# Altium PCB QCPower Rev A.PcbDoc (part 2 of 5) (continued)
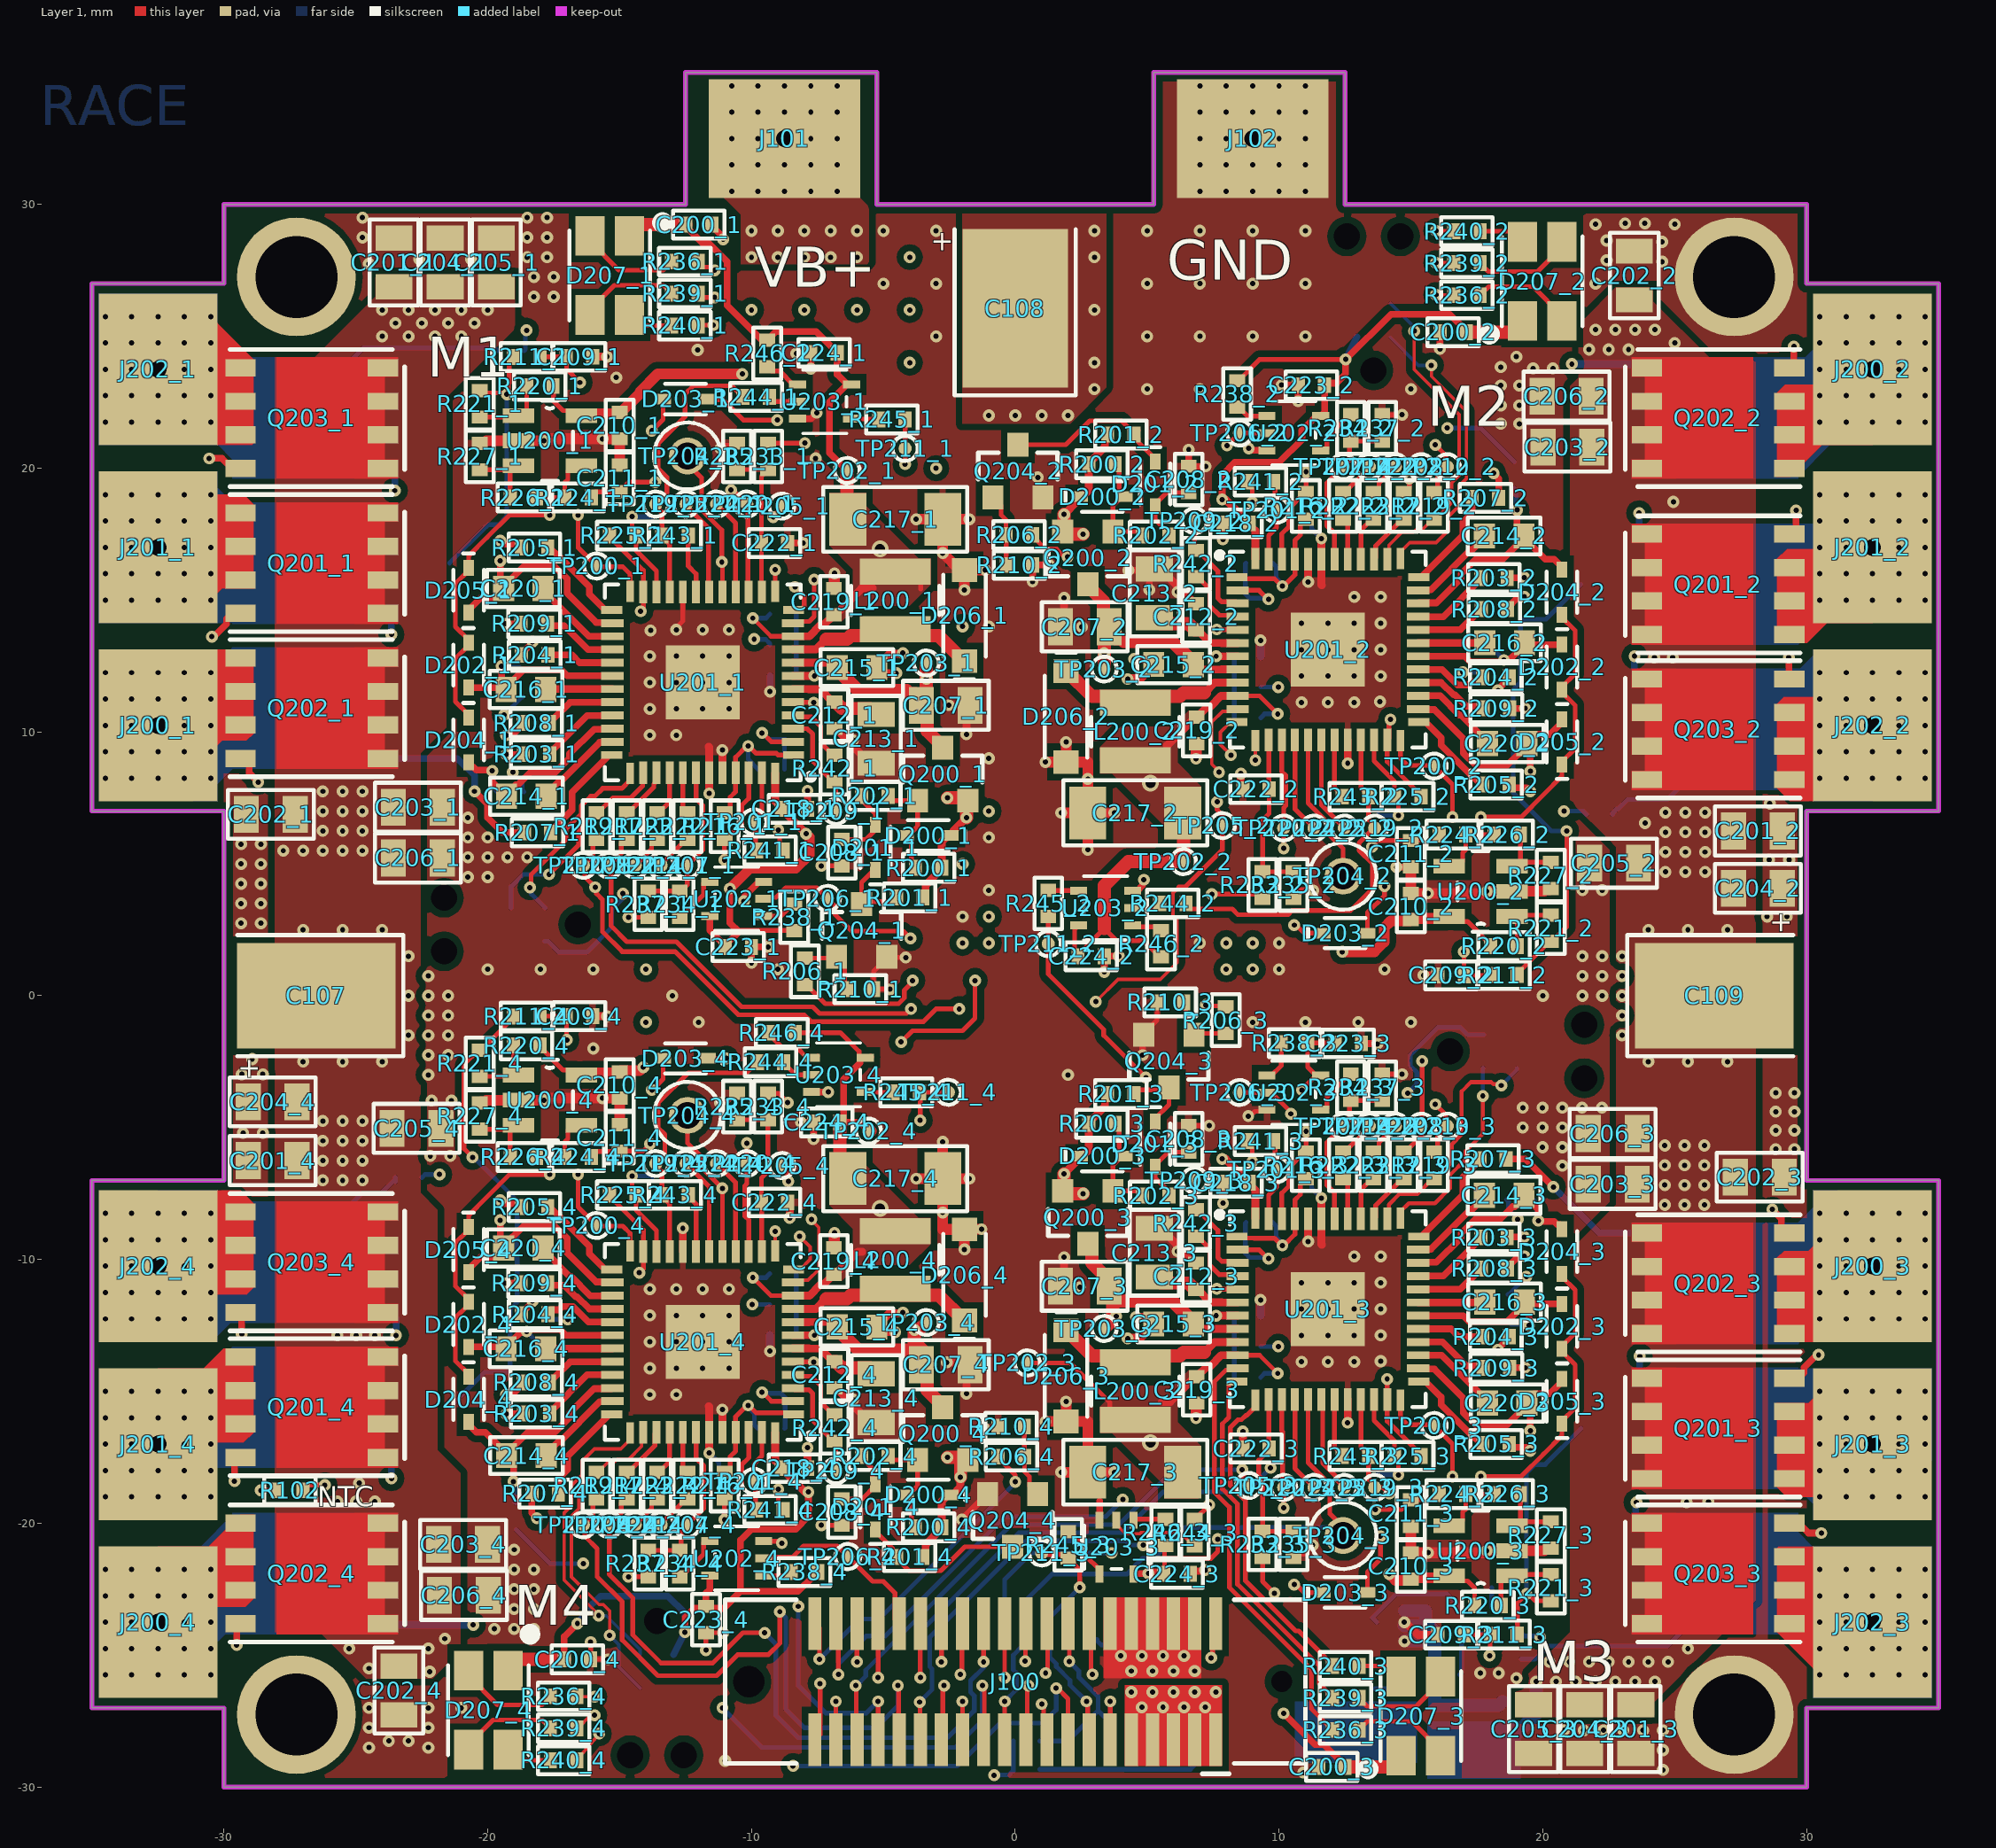
[diagram p0: Layer 1 view]
## Nets (pads, with @x,y where several pads share a name; then routed paths per layer and width w, separated by ;. In a path a pad name is that pad's centre, name@x,y a point inside that pad or via, vN(x,y) a via of type N, cw(c..) or ccw(c..) an arc to the next point about the centre after c; other vN are vias at no path point) (continued)
  Layer 6 w0.178: v2(-0.4,-25.85) -0.4,-22.127 0.601,-21.126 v2(3.65,-21.126)
BLDC_BOOTLOADER_RX4: J100.24 R217_4.1 TP208_4.1 | length 26.9
  Layer 1 w0.178: R217_4.1@-14.727,-19.071 -14.777,-19.071 -14.938,-19.232 -14.938,-19.604 TP208_4.1@-15.393,-20.059 -15.393,-21.927 -14.499,-22.821 -14.499,-24.226 -13.425,-25.3 -11.475,-25.3 -10.325,-24.15 v2(-9.5,-24.15) ; v2(-1.2,-25.25) J100.24@-1.2,-23.8
  Layer 6 w0.178: v2(-9.5,-24.15) -9.081,-24.569 -9.081,-27.269 -8.225,-28.125 -2.575,-28.125 -1.557,-27.107 -1.557,-26.53 -1.693,-26.394 -1.693,-25.967 -1.2,-25.474 v2(-1.2,-25.25)
BLDC_BOOTLOADER_TX1: J100.25 R219_1.1 TP210_1.1 | length 51.2
  Layer 1 w0.178: R219_1.1@-15.879,5.929 -16.012,5.796 -16.012,5.307 TP210_1.1@-16.377,4.941 -16.315,4.88 -16.315,4.506 v2(-15.925,4.115) -15.873,4.063 -15.873,3.872 -15.65,3.649 -15.65,2.425 -14.9,1.675 -12.9,1.675 -10.5,-0.725 -8,-0.725 -7.745,-0.98 -3.48,-0.98 -3,-0.5 v1(-2.125,-0.5) ; J100.25@-2,-28.2 v2(-2,-26.75)
  Layer 3 w0.127: v1(-2.125,-0.5) -2.125,-0.832 0.104,-3.061 0.104,-13.182 -1.433,-14.718 -1.433,-15.258 -1.677,-15.502 -1.836,-15.502 -3.542,-17.208 -3.542,-22.635 -4.018,-23.111 -4.018,-26.023 -3.708,-26.333 -3.446,-26.333 -3.372,-26.407 -3.372,-26.429 -2.978,-26.823 -2.422,-26.823 -2.411,-26.812 -2.062,-26.812 v2(-2,-26.75)
BLDC_BOOTLOADER_TX2: J100.27 R219_2.1 TP210_2.1 | length 67.1
  Layer 1 w0.178: J100.27@-2.8,-28.2 -2.75,-28.15 -2.75,-26.201 v2(-2.7,-26.151) ; R219_2.1@15.879,19.071 16.012,19.204 16.012,19.693 TP210_2.1@16.377,20.059 16.315,20.12 16.315,20.494 v2(15.925,20.885)
  Layer 3 w0.127: v2(-2.7,-26.151) -2.695,-26.146 -2.695,-25.736 -1.353,-24.394 -1.353,-17.685 -0.671,-17.003 -0.671,-15.034 0.924,-13.439 0.924,-1.474 0.216,-0.766 0.216,17.566 2.937,20.287 6.748,20.287 6.944,20.483 7.811,20.483 8.07,20.225 10.15,20.225 10.81,20.885 v2(15.925,20.885)
BLDC_BOOTLOADER_TX3: J100.29 R219_3.1 TP210_3.1 | length 45.2
  Layer 1 w0.178: v2(-3.625,-26.776) -3.613,-26.789 -3.613,-28.188 J100.29@-3.6,-28.2 ; R219_3.1@15.879,-5.929 16.012,-5.796 16.012,-5.307 TP210_3.1@16.377,-4.941 16.315,-4.88 16.315,-4.506 v2(15.925,-4.115)
  Layer 3 w0.127: v2(4.85,-20.826) 5.125,-20.551 5.125,-19.166 4.525,-18.566 4.525,-17.85 3.525,-16.85 3.525,-12.661 3.4,-12.537 3.4,-11.809 4.772,-10.436 4.772,-10.346 6.314,-8.805 6.314,-5.371 9.129,-2.555 14.836,-2.555 15.01,-2.729 15.025,-2.729 15.444,-3.148 15.444,-3.634 v2(15.925,-4.115)
  Layer 6 w0.178: v2@-3.625,-26.775 -3.157,-26.307 -3.157,-25.519 -3.243,-25.434 -3.243,-24.318 0.415,-20.66 4.186,-20.66 4.352,-20.826 v2(4.85,-20.826)
BLDC_BOOTLOADER_TX4: J100.31 R219_4.1 TP210_4.1 | length 25.9
  Layer 1 w0.178: R219_4.1@-15.879,-19.071 -16.012,-19.204 -16.012,-19.693 TP210_4.1@-16.377,-20.059 -16.315,-20.12 -16.315,-20.494 -15.85,-20.96 -15.85,-22.025 -14.9,-22.975 -14.9,-24.425 -13.55,-25.775 -11.316,-25.775 -10.518,-24.977 -9.352,-24.977 -8.925,-24.55 v2(-8.925,-23.35) ; v2(-4.45,-26.151) -4.425,-26.176 -4.425,-28.175 J100.31@-4.4,-28.2
  Layer 6 w0.178: v2(-8.925,-23.35) -8.7,-23.575 -8.7,-27.05 -7.995,-27.755 -5.28,-27.755 -4.45,-26.925 v2(-4.45,-26.151)
BLDC_BOOTSEL1: J100.26 TP206_1.1 U202_1.2 | length 42.8
  Layer 1 w0.178: U202_1.2@-9.538,3.672 -9.485,3.725 -9.075,3.725 -8.7,4.1 -7.525,4.1 -6.825,3.4 -6.825,3.075 -6.2,2.45 -4.25,2.45 v1(-3.975,2.175) ; v2(-2.083,-25.73) -2.025,-25.672 -2.025,-23.825 J100.26@-2,-23.8
  Layer 3 w0.127: v1(-3.975,2.175) -1.2,-0.6 -1.2,-1.397 0.358,-2.955 0.358,-13.287 -1.179,-14.823 -1.179,-15.363 -1.826,-16.01 -1.985,-16.01 -3.288,-17.313 -3.288,-21.45 -2.875,-21.863 -2.875,-22.925 -3.4,-23.45 -3.4,-25.46 -3.118,-25.742 -3.118,-26.324 -2.873,-26.569 -2.527,-26.569 -2.083,-26.124 v2(-2.083,-25.73)
BLDC_BOOTSEL2: J100.28 TP206_2.1 U202_2.2 | length 57.6
  Layer 1 w0.178: v2(-2.8,-25.25) J100.28@-2.8,-23.8 ; v2(8.025,20.86) TP206_2.1@8.5,21.335 8.503,21.331 9.535,21.331 U202_2.2@9.538,21.328
  Layer 3 w0.127: v2(-2.8,-25.25) -2.126,-24.576 -2.126,-21.113 -1.607,-20.595 -1.607,-16.193 -0.925,-15.51 -0.925,-14.929 0.67,-13.333 0.67,-1.595 -0.038,-0.887 -0.038,17.912 3.175,21.125 7.76,21.125 v2(8.025,20.86)
BLDC_BOOTSEL3: J100.30 TP206_3.1 U202_3.2 | length 36.7
  Layer 1 w0.178: v2(-3.6,-25.85) J100.30@-3.6,-23.8 ; TP206_3.1@8.5,-3.665 8.503,-3.668 9.535,-3.668 U202_3.2@9.538,-3.672 9.712,-3.672 10.45,-4.41 v2(10.45,-4.475)
  Layer 3 w0.127: v2(9.675,-17.9) 9.675,-17.25 10.433,-16.492 10.433,-13.133 9.775,-12.475 9.775,-11.05 9.183,-10.458 9.183,-7.667 10.45,-6.4 v2(10.45,-4.475)
  Layer 6 w0.178: v2(-3.6,-25.85) -3.6,-24.1 0.145,-20.355 4.06,-20.355 5.604,-18.811 8.764,-18.811 v2(9.675,-17.9)
BLDC_BOOTSEL4: J100.32 TP206_4.1 U202_4.2 | length 7.1
  Layer 1 w0.178: U202_4.2@-9.538,-21.328 -9.495,-21.285 -8.451,-21.285 -8.025,-20.86 -6.75,-20.86 TP206_4.1@-6.35,-21.26 -5.41,-22.2 -5,-22.2 -4.561,-22.639 -4.561,-23.639 J100.32@-4.4,-23.8
BLDC_nRESET1: J100.39 R232_1.1 TP205_1.1 | length 55.9
  Layer 1 w0.178: v2(-9.175,18.15) -9.175,18.195 -8.85,18.52 TP205_1.1@-8.85,18.565 ; J100.39@-7.6,-28.2 -7.4,-28 v2(-7.4,-26.075)
  Layer 3 w0.127: v2(-9.175,18.15) -9.2,18.125 -9.2,17.625 -9.52,17.305 -9.52,15.32 -9.475,15.275 -9.475,13.95 v2(-9.9,13.525) -8.3,11.925 -8.3,9.225 -9.403,8.122 -9.403,5.497 -4.032,0.126 -3.801,0.126 -0.404,-3.271 -0.404,-12.689 -4.05,-16.335 -4.05,-22.425 -7.4,-25.775 v2(-7.4,-26.075)
  Layer 6 w0.178: v2(-9.9,13.525) -9.884,13.509 -9.461,13.509 -9.3,13.348 R232_1.1@-9.3,13.298
BLDC_nRESET2: J100.37 R232_2.1 TP205_2.1 | length 54.2
  Layer 1 w0.127: v2(3.05,-0.225) 3.9,0.625 5.5,0.625 6.125,1.25 6.125,2.875 5.975,3.025 5.975,3.9 6.2,4.125
  Layer 1 w0.178: J100.37@-6.8,-28.2 v2(-6.8,-26.75) ; 6.2,4.125 6.45,4.125 7.849,5.524 TP205_2.1@7.849,6.452 7.849,6.858 7.65,7.057 v2(7.65,7.35)
  Layer 3 w0.127: v2(-6.8,-26.75) -5.791,-26.75 -4.962,-27.579 -1.829,-27.579 -0.818,-26.568 -0.818,-25.458 -0.783,-25.423 -0.783,-17.833 -0.163,-17.213 -0.163,-15.244 1.432,-13.649 1.432,-1.843 v2(3.05,-0.225) ; v2(7.65,7.35) 7.282,7.718 7.282,8.79 7.4,8.908 7.4,10.7 8.402,11.702 v2(9.968,11.702)
  Layer 6 w0.178: R232_2.1@9.3,11.702 v2(9.968,11.702)
BLDC_nRESET3: J100.35 R232_3.1 TP205_3.1 | length 26.8
  Layer 1 w0.178: v2(-6.05,-26.151) -6.025,-26.176 -6.025,-28.175 J100.35@-6,-28.2 ; v2(8.6,-17.965) 8.652,-18.017 8.652,-18.28 8.85,-18.478 TP205_3.1@8.85,-18.565
  Layer 3 w0.127: v2(8.6,-17.965) 9.533,-17.033 9.533,-13.733 v2(9.968,-13.298)
  Layer 6 w0.178: v2(-6.05,-26.151) -6.022,-26.123 -6,-26.123 -5.666,-25.789 -5.666,-25.566 -0.15,-20.05 3.933,-20.05 6.018,-17.965 v2(8.6,-17.965) ; R232_3.1@9.3,-13.298 v2(9.968,-13.298)
BLDC_nRESET4: J100.33 R232_4.1 TP205_4.1 | length 31
  Layer 1 w0.178: TP205_4.1@-8.85,-6.435 -8.85,-6.522 -8.652,-6.72 -8.652,-6.983 v2(-8.6,-7.035) ; J100.33@-5.2,-28.2 v2(-5.2,-26.75)
  Layer 3 w0.127: v2(-8.6,-7.035) -7.665,-7.035 -6.425,-8.275 -6.425,-9.725 -8.175,-11.475 -9.741,-11.475 v2(-9.968,-11.702) -9.968,-12.207 -8.725,-13.45 -8.725,-16.55 -9.825,-17.65 -9.825,-21.55 v1(-8.225,-23.15)
  Layer 6 w0.178: v2(-9.968,-11.702) R232_4.1@-9.3,-11.702 ; v1(-8.225,-23.15) -8.225,-26.151 -7.183,-27.193 -5.643,-27.193 v2(-5.2,-26.75)
BLUE_1: R240_1.2 U201_1.13 | length 12
  Layer 1 w0.178: R240_1.2@-12.025,25.41 -12.009,25.425 v2(-11.45,25.425) ; U201_1.13@-9.102,15.328 v2(-9.102,16.148)
  Layer 3 w0.178: v2(-11.45,25.425) -11.45,21.713 -8.732,18.995 -8.732,17.698 -9.102,17.328 v2(-9.102,16.148)
BLUE_2: R240_2.2 U201_2.13 | length 29.4
  Layer 1 w0.127: v2(9.102,8.927) U201_2.13@9.102,9.672 ; v2(15.95,29) 16.607,29 R240_2.2@16.625,28.982
  Layer 3 w0.127: v2(9.102,8.927) 9.7,9.525 15.533,9.525 17.893,11.885 17.893,13.218 17.893,18.79 17.65,19.033 17.65,27.3 v2(15.95,29)
BLUE_3: R240_3.2 U201_3.13 | length 12.2
  Layer 1 w0.178: U201_3.13@9.102,-15.328 9.102,-15.578 8.765,-15.915 8.732,-15.915 8.575,-16.072 8.442,-16.072 8.157,-16.357 8.157,-18.569 8.728,-19.139 8.728,-22.179 10.627,-24.078 10.744,-24.078 12.025,-25.36 R240_3.2@12.025,-25.41
BLUE_4: R240_4.2 U201_4.13 | length 29.5
  Layer 1 w0.127: R240_4.2@-16.625,-28.982 v2(-15.775,-27.975) ; U201_4.13@-9.102,-9.672 v2(-9.102,-8.927) ; v2(-15.775,-27.975) -15.618,-27.975 v2(-15.775,-27.975)
  Layer 3 w0.127: v2(-15.775,-27.975) -15.94,-27.975 -17.65,-26.265 -17.65,-19.033 -17.893,-18.79 -17.893,-13.218 -17.893,-11.885 -15.533,-9.525 -9.7,-9.525 v2(-9.102,-8.927)
BOOT_1: R234_1.2 R237_1.2 TP207_1.1 U201_1.42 | length 6.2
  Layer 1 w0.178: R237_1.2@-13.913,3.973 R234_1.2@-12.719,3.973 -12.669,3.973 -12.44,4.202 TP207_1.1@-12.44,4.941 -11.85,5.531 -11.85,7.211 -12.102,7.463 U201_1.42@-12.102,8.453
BOOT_2: R234_2.2 R237_2.2 TP207_2.1 U201_2.42 | length 6.2
  Layer 1 w0.178: U201_2.42@12.102,16.547 12.102,17.526 11.805,17.823 11.805,19.443 11.824,19.443 TP207_2.1@12.44,20.059 12.669,20.288 12.669,21.027 R234_2.2@12.719,21.027 R237_2.2@13.913,21.027
BOOT_3: R234_3.2 R237_3.2 TP207_3.1 U201_3.42 | length 6.2
  Layer 1 w0.178: U201_3.42@12.102,-8.453 12.102,-7.474 11.805,-7.177 11.805,-5.557 11.824,-5.557 TP207_3.1@12.44,-4.941 12.669,-4.712 12.669,-3.973 R234_3.2@12.719,-3.973 R237_3.2@13.913,-3.973
BOOT_4: R234_4.2 R237_4.2 TP207_4.1 U201_4.42 | length 6.2
  Layer 1 w0.178: R237_4.2@-13.913,-21.027 R234_4.2@-12.719,-21.027 -12.669,-21.027 -12.669,-20.288 TP207_4.1@-12.44,-20.059 -11.824,-19.443 -11.805,-19.443 -11.805,-17.823 -12.102,-17.526 U201_4.42@-12.102,-16.547
BT_RES_NEN_1: R238_1.1 U202_1.1 | length 1.4
  Layer 1 w0.178: U202_1.1@-9.538,3.022 -8.878,3.022 -8.425,3.475 R238_1.1@-8.375,3.475
BT_RES_NEN_2: R238_2.1 U202_2.1 | length 1.5
  Layer 1 w0.178: R238_2.1@8.407,22.317 8.457,22.317 8.796,21.978 U202_2.1@9.538,21.978 U202_2.1@9.712,21.978 ; R238_2.1@8.509,22.317 R238_2.1@8.559,22.317
BT_RES_NEN_3: R238_3.1 U202_3.1 | length 1.6
  Layer 1 w0.178: U202_3.1@9.538,-3.022 9.712,-3.022 10.086,-2.648 R238_3.1@10.086,-1.792
BT_RES_NEN_4: R238_4.1 U202_4.1 | length 1.3
  Layer 1 w0.178: U202_4.1@-9.712,-21.978 U202_4.1@-9.538,-21.978 -8.627,-21.978 R238_4.1@-8.493,-21.844
CSENSE_1: Q205_1.1 Q205_1.2 Q205_1.3 Q206_1.1 Q206_1.2 Q206_1.3 Q207_1.1 Q207_1.2 Q207_1.3 R211_1.2 R215_1.2 R221_1.2 | length 10.4
  Layer 1 w0.178: R221_1.2@-20.45,22.8 -20.305,22.945 R221_1.2@-20.3,22.94 -20.212,22.852 -19.327,22.852 v2(-19.275,22.8) -19.223,22.852 -19.223,23.188 -19.186,23.225 -19.186,24.055 R211_1.2@-19.025,24.216
  Layer 6 w0.178: R215_1.2@-21.445,16.4 -21.445,16.415 -20.089,17.771 -20.074,17.771 -19.985,17.86 -19.59,17.86 -19.275,18.175 v2(-19.275,22.8)
CSENSE_2: Q205_2.1 Q205_2.2 Q205_2.3 Q206_2.1 Q206_2.2 Q206_2.3 Q207_2.1 Q207_2.2 Q207_2.3 R211_2.2 R215_2.2 R221_2.2 | length 18.4
  Layer 1 w0.178: R211_2.2@19.025,0.783 19.186,0.945 19.186,0.996 20.25,2.06 R221_2.2@20.3,2.06 20.35,2.06 20.904,2.614 v2(20.904,6.248)
  Layer 6 w0.178: v2(20.904,6.248) 20.32,6.248 18.872,7.696 18.872,11.608 19.152,11.887 19.152,14.173 19.256,14.277 20.122,14.277 R215_2.2@21.445,15.6
CSENSE_3: Q205_3.1 Q205_3.2 Q205_3.3 Q206_3.1 Q206_3.2 Q206_3.3 Q207_3.1 Q207_3.2 Q207_3.3 R211_3.2 R215_3.2 R221_3.2 | length 10.4
  Layer 1 w0.178: R211_3.2@19.025,-24.216 R211_3.2@19.152,-24.09 ; R211_3.2@19.186,-24.004 19.186,-24.055 R211_3.2@19.152,-24.09 ; R211_3.2@19.152,-24.09 19.119,-24.09 19.034,-24.005 19.034,-23.031 19.38,-22.685 v2(19.38,-22.682) 19.454,-22.682 19.712,-22.94 R221_3.2@20.25,-22.94 ; R221_3.2@20.25,-22.94 20.245,-22.945 20.305,-22.945 R221_3.2@20.3,-22.94 R221_3.2@20.25,-22.94
  Layer 6 w0.178: v2(19.38,-22.682) 19.38,-18.085 19.694,-17.771 20.089,-17.771 21.445,-16.415 R215_3.2@21.445,-16.4
CSENSE_4: Q205_4.1 Q205_4.2 Q205_4.3 Q206_4.1 Q206_4.2 Q206_4.3 Q207_4.1 Q207_4.2 Q207_4.3 R211_4.2 R215_4.2 R221_4.2 | length 18.1
  Layer 1 w0.178: v2(-20.575,-6.125) -20.9,-5.8 -20.9,-2.609 -20.35,-2.06 R221_4.2@-20.3,-2.06 -20.25,-2.06 -19.186,-0.996 -19.186,-0.945 R211_4.2@-19.025,-0.784
  Layer 6 w0.178: R215_4.2@-21.445,-15.6 -20.122,-14.277 -19.256,-14.277 -19.152,-14.173 -19.152,-11.887 -18.882,-11.618 -18.882,-7.767 -20.524,-6.125 v2(-20.575,-6.125)
CTRL_PWM1: J100.17 TP204_1.1 U201_1.17 | length 69.9
  Layer 1 w0.178: TP204_1.1@-12.425,20.465 -12.425,20.174 -11.887,19.636 -11.887,18.415 -11.125,17.653 v2(-11.125,16.444) ; U201_1.17@-11.102,15.303 v2@-11.102,16.467 ; v2(1,-26.851) 1.075,-26.926 1.075,-27.35 1.175,-27.45 1.175,-28.175 J100.17@1.2,-28.2
  Layer 3 w0.127: v2(-11.125,16.444) -11.125,15.2 -10.4,14.475 -10.4,13.275 -8.821,11.696 -8.821,9.404 -10.025,8.2 -10.025,4.9 -4.337,-0.787 -1.324,-3.801 -1.324,-7.108 -1.693,-7.476 -1.693,-9.023 -1.508,-9.208 -1.508,-12.218 -4.896,-15.606 -4.896,-21.396 -8.2,-24.7 -8.2,-27.434 -6.53,-29.104 -3.795,-29.104 -3.366,-28.675 -0.875,-28.675 0.949,-26.851 v2(1,-26.851)
CTRL_PWM2: J100.19 TP204_2.1 U201_2.17 | length 48.1
  Layer 1 w0.178: J100.19@0.4,-28.2 0.45,-28.15 0.45,-26.201 v2(0.5,-26.151) ; U201_2.17@11.102,9.697 11.102,7.301 11.925,6.478 11.925,6.085 12.425,5.585 TP204_2.1@12.425,4.535
  Layer 3 w0.127: v2(0.5,-26.151) 0.5,-25.736 0.817,-25.418 0.817,-25.077 0.275,-24.535 0.275,-19.175 0.7,-18.75 0.7,-15.6 2.032,-14.268 2.032,-10.793 4.35,-8.475 4.35,-1.8 6.4,0.25 12.325,0.25 13.275,1.2 13.275,3.485 12.425,4.334 TP204_2.1@12.425,4.535
CTRL_PWM3: J100.21 TP204_3.1 U201_3.17 | length 24.7
  Layer 1 w0.178: J100.21@-0.4,-28.2 v2(-0.4,-26.75) ; U201_3.17@11.102,-15.303 11.102,-17.702 11.925,-18.525 11.925,-19.635 12.425,-20.135 TP204_3.1@12.425,-20.465
  Layer 6 w0.178: v2(-0.4,-26.75) 0.043,-26.307 0.043,-25.667 -0.075,-25.549 -0.075,-25 0.275,-24.65 0.275,-23.049 1.399,-21.925 4.231,-21.925 4.823,-21.333 5.261,-21.333 6.437,-20.157 12.117,-20.157 TP204_3.1@12.425,-20.465
CTRL_PWM4: J100.23 TP204_4.1 U201_4.17 | length 46.4
  Layer 1 w0.178: TP204_4.1@-12.425,-4.535 -12.425,-5.585 -11.925,-6.085 -11.925,-6.479 v2(-11.102,-7.301) U201_4.17@-11.102,-9.697 ; v2(-1.25,-26.151) -1.175,-26.226 -1.175,-28.175 J100.23@-1.2,-28.2
  Layer 3 w0.127: v2(-11.102,-7.301) -10.126,-7.301 -9.715,-7.713 -7.787,-7.713 -7.308,-8.192 -7.308,-9.758 -8.652,-11.102 -10.052,-11.102 -10.385,-11.435 -10.385,-11.875 -10.375,-11.886 -10.375,-13.125 -9.125,-14.375 -9.125,-16.35 -10.525,-17.75 -10.525,-24.725 -11.1,-25.3 v2(-11.1,-27)
  Layer 6 w0.178: v2(-11.1,-27) -9.6,-28.5 -2.275,-28.5 -1.25,-27.475 v2(-1.25,-26.151)
CURRENT_1: C211_1.1 R224_1.2 TP220_1.1 U201_1.15 | length 9.9
  Layer 1 w0.178: R224_1.2@-16.075,18.89 -16.075,18.94 -15.914,19.101 -15.014,19.101 C211_1.1@-15,19.115 -14.641,19.475 v2(-13.65,19.475) ; v1(-10.775,19.175) -10.71,19.175 TP220_1.1@-10.175,18.64 -10.139,18.604 -10.139,15.339 U201_1.15@-10.102,15.303
  Layer 3 w0.178: v2(-13.65,19.475) -13.521,19.346 -10.946,19.346 v1(-10.775,19.175)
CURRENT_2: C211_2.1 R224_2.2 TP220_2.1 U201_2.15 | length 10.4
  Layer 1 w0.178: U201_2.15@10.102,9.697 10.102,8.507 10.252,8.358 10.252,7.201 10.175,7.125 v2(10.175,5.585) ; v2(13.522,5.653) 13.753,5.885 C211_2.1@15,5.885 15.014,5.898 15.914,5.898 16.075,6.06 R224_2.2@16.075,6.11
  Layer 3 w0.178: v2(10.175,5.585) 10.244,5.653 v2(13.522,5.653)
CURRENT_3: C211_3.1 R224_3.2 TP220_3.1 U201_3.15 | length 10.4
  Layer 1 w0.178: U201_3.15@10.102,-15.303 10.102,-16.493 10.132,-16.523 10.132,-18.597 TP220_3.1@10.175,-18.64 v2(10.175,-19.415) ; v2(13.65,-19.475) 14.641,-19.475 C211_3.1@15,-19.115 15.014,-19.101 15.914,-19.101 16.075,-18.94 R224_3.2@16.075,-18.89
  Layer 3 w0.178: v2(10.175,-19.415) 10.244,-19.346 13.521,-19.346 v2(13.65,-19.475)
CURRENT_4: C211_4.1 R224_4.2 TP220_4.1 U201_4.15 | length 10.4
  Layer 1 w0.178: R224_4.2@-16.075,-6.11 -16.075,-6.06 -15.914,-5.899 -15.014,-5.899 C211_4.1@-15,-5.885 -14.114,-5.885 v2(-13.843,-5.613) ; v2(-10.175,-5.585) -10.175,-7.125 -10.252,-7.201 -10.252,-8.358 -10.102,-8.507 U201_4.15@-10.102,-9.697
  Layer 3 w0.178: v2(-13.843,-5.613) -13.803,-5.654 -10.244,-5.654 v2(-10.175,-5.585)
FG_BUS1: J100.14 R245_1.1 TP211_1.1 | length 72.4
  Layer 1 w0.178: v2(-4.325,-1.75) -3.899,-1.324 -1.999,-1.324 -1.525,-0.85 v2(-1.525,0.575) ; v2(-4.175,20.15) TP211_1.1@-4.175,20.75 R245_1.1@-4.175,21.85 ; J100.14@2.8,-23.8 2.873,-23.873 2.873,-25.674 v2(2.925,-25.726)
  Layer 3 w0.127: v2(-4.325,-1.75) -4.05,-1.75 -2.333,-3.467 -2.333,-9.435 -2.343,-9.445 -2.343,-12.368 -5.325,-15.35 -5.325,-21.307 -8.625,-24.607 -8.625,-27.368 -6.635,-29.358 -3.69,-29.358 -3.388,-29.056 -0.406,-29.056 v2@2.924,-25.726 ; v2(-4.175,20.15) -3.25,19.225 -3.25,13.35 -2.953,13.053 -2.953,11.522 -3.375,11.1 -3.375,2.425 v2(-1.525,0.575)
FG_BUS2: J100.11 R245_2.1 TP211_2.1 | length 35.5
  Layer 1 w0.178: R245_2.1@1.25,3 TP211_2.1@1.25,1.975 1.25,0.825 3.35,-1.275 3.35,-1.5 v1(4.95,-3.1) ; J100.11@3.6,-28.2 v2(3.6,-26.75)
  Layer 3 w0.127: v2(3.6,-26.75) 3.581,-26.731 3.581,-25.044 0.925,-22.388 0.925,-20.175 2.445,-18.655 2.445,-11.645 2.975,-11.115 2.975,-10.7 4.95,-8.725 v1(4.95,-3.1)
FG_BUS3: J100.13 R245_3.1 TP211_3.1 | length 9.2
  Layer 1 w0.178: TP211_3.1@1,-21.125 1.062,-21.187 1.873,-21.187 R245_3.1@2.007,-21.32 2,-21.327 2.443,-21.769 v2(2.443,-22.433) ; v2(2.7,-26.751) 2.75,-26.801 2.75,-28.15 J100.13@2.8,-28.2
  Layer 6 w0.178: v2(2.443,-22.433) 1.3,-23.576 1.3,-25.075 1.557,-25.332 1.557,-25.434 2.075,-25.952 2.075,-26.126 v2(2.7,-26.751)
FG_BUS4: J100.15 R245_4.1 TP211_4.1 | length 43.3
  Layer 1 w0.178: v2(-3.604,-4.721) -3.604,-3.686 R245_4.1@-3.632,-3.658 TP211_4.1@-2.54,-3.658 ; v2(1.55,-26.251) 1.604,-26.251 2,-26.647 J100.15@2,-28.2
  Layer 3 w0.127: v2(-8.425,-29.2) -9.034,-28.591 -9.034,-24.55 -7.65,-23.167 -7.65,-21.525 -5.733,-19.608 -5.733,-15.258 -3.233,-12.758 -3.233,-5.092 v2(-3.604,-4.721)
  Layer 6 w0.178: v2(-8.425,-29.2) -2.2,-29.2 -0.575,-27.575 1.05,-27.575 1.55,-27.075 v2(1.55,-26.251)
FG_IN_1: R244_1.1 U203_1.2 | length 1.2
  Layer 1 w0.178: R244_1.1@-9.325,22.7 -9.325,22.686 -9.164,22.525 U203_1.2@-8.25,22.525
FG_IN_2: R244_2.1 U203_2.2 | length 1.1
  Layer 1 w0.178: U203_2.2@4.447,3.325 5.314,3.325 5.475,3.486 R244_2.1@5.475,3.5
FG_IN_3: R244_3.1 U203_3.2 | length 3.5
  Layer 1 w0.127: U203_3.2@3.835,-19.882 3.835,-20.056 4.176,-20.396 4.714,-20.396 4.761,-20.35 6.254,-20.35 6.757,-20.853 R244_3.1@6.807,-20.853
FG_IN_4: R244_4.1 U203_4.2 | length 1.3
  Layer 1 w0.178: R244_4.1@-8.779,-2.515 -8.779,-2.552 -8.334,-2.997 U203_4.2@-7.728,-2.997
G1_1: Q202_1.4 R203_1.2 | length 12.3
  Layer 1 w0.254: Q202_1.4@-29.45,8.995 -29.284,8.995 -29.048,8.759 -29.048,8.448 v2(-28.7,8.1) ; v2@-19.3,9.14 v2(-19.295,9.145) -19.291,9.15 -18.657,9.15 R203_1.2@-18.647,9.159
  Layer 3 w0.254: v2(-28.7,8.1) -27.05,9.75 -20.175,9.75 -19.57,9.145 v2(-19.295,9.145)
G1_2: Q202_2.4 R203_2.2 | length 15.6
  Layer 1 w0.254: R203_2.2@18.647,15.841 18.657,15.85 19.291,15.85 v2(19.295,15.855) v2@19.3,15.86 ; Q202_2.4@29.45,23.805 29.515,23.87 v2(29.515,24.613)
  Layer 3 w0.254: v2(19.295,15.855) 19.93,15.855 26.325,22.25 27.6,22.25 29.477,24.127 29.477,24.575 v2(29.515,24.613)
G1_3: Q202_3.4 R203_3.2 | length 12.3
  Layer 1 w0.254: R203_3.2@18.647,-9.159 18.657,-9.15 19.291,-9.15 v2(19.295,-9.145) v2@19.3,-9.14 ; v2(28.7,-8.1) 29.048,-8.448 29.048,-8.759 29.284,-8.995 Q202_3.4@29.45,-8.995
  Layer 3 w0.254: v2(19.295,-9.145) 19.57,-9.145 20.175,-9.75 27.05,-9.75 v2(28.7,-8.1)
G1_4: Q202_4.4 R203_4.2 | length 15.6
  Layer 1 w0.254: v2(-29.515,-24.613) -29.515,-23.87 Q202_4.4@-29.45,-23.805 ; v2@-19.3,-15.86 v2(-19.295,-15.855) -19.291,-15.85 -18.657,-15.85 R203_4.2@-18.647,-15.841
  Layer 3 w0.254: v2(-29.515,-24.613) -29.477,-24.575 -29.477,-24.127 -27.6,-22.25 -26.325,-22.25 -19.93,-15.855 v2(-19.295,-15.855)
G2_1: Q205_1.4 R207_1.2 | length 6.9
  Layer 1 w0.254: v2(-20.5,7.75) -20,7.25 -20,6.75 -19.44,6.19 R207_1.2@-18.612,6.19
  Layer 6 w0.254: Q205_1.4@-23.7,8.995 -21.145,8.995 -20.5,8.35 v2(-20.5,7.75)
G2_2: Q205_2.4 R207_2.2 | length 9
  Layer 1 w0.254: v2(18.136,19.812) 18.136,19.789 18.323,19.602 R207_2.2@18.323,18.872
  Layer 3 w0.254: v2(18.136,19.812) 21.1,22.776 v2(21.1,23.95)
  Layer 6 w0.3: v2(21.1,23.95) 23.555,23.95 Q205_2.4@23.7,23.805
G2_3: Q205_3.4 R207_3.2 | length 6.3
  Layer 1 w0.254: R207_3.2@18.612,-6.19 19.342,-6.19 v2(20.4,-7.248)
  Layer 6 w0.254: v2(20.4,-7.248) 22.147,-8.995 Q205_3.4@23.7,-8.995
G2_4: Q205_4.4 R207_4.2 | length 9.4
  Layer 1 w0.254: R207_4.2@-18.323,-18.872 -18.323,-19.602 -18.136,-19.789 v2(-18.136,-19.812)
  Layer 3 w0.254: v2(-20.55,-23.85) -20.55,-21.868 -18.494,-19.812 v2(-18.136,-19.812)
  Layer 6 w0.3: Q205_4.4@-23.7,-23.805 -23.655,-23.85 v2(-20.55,-23.85)
G3_1: Q201_1.4 R204_1.2 | length 15.4
  Layer 1 w0.254: v2(-30.455,13.614) -30.386,13.614 -29.896,14.104 -29.896,14.299 -29.7,14.495 Q201_1.4@-29.45,14.495 ; R204_1.2@-18.718,12.922 -18.718,12.972 -18.3,13.39 v2(-18.3,13.425)
  Layer 3 w0.254: v2(-30.455,13.614) -26.686,13.614 -25.425,14.875 -21.2,14.875 -19.75,13.425 v2(-18.3,13.425)
G3_2: Q201_2.4 R204_2.2 | length 15.8
  Layer 1 w0.254: v2(18.3,11.575) 18.3,11.61 18.718,12.028 R204_2.2@18.718,12.078 ; Q201_2.4@29.45,17.505 29.6,17.655 v2(29.6,18.4)
  Layer 3 w0.254: v2(18.3,11.575) 19.875,11.575 26.7,18.4 v2(29.6,18.4)
G3_3: Q201_3.4 R204_3.2 | length 15.4
  Layer 1 w0.254: v2(18.3,-13.425) 18.3,-13.39 18.718,-12.972 R204_3.2@18.718,-12.922 ; Q201_3.4@29.45,-14.495 29.7,-14.495 29.896,-14.299 29.896,-14.104 30.386,-13.614 v2(30.455,-13.614)
  Layer 3 w0.254: v2(18.3,-13.425) 19.75,-13.425 21.2,-14.875 25.425,-14.875 26.686,-13.614 v2(30.455,-13.614)
G3_4: Q201_4.4 R204_4.2 | length 15.8
  Layer 1 w0.254: v2(-29.6,-18.4) -29.6,-17.655 Q201_4.4@-29.45,-17.505 ; R204_4.2@-18.718,-12.078 -18.718,-12.028 -18.3,-11.61 v2(-18.3,-11.575)
  Layer 3 w0.254: v2(-29.6,-18.4) -27.962,-16.762 -26.362,-16.762 -21.175,-11.575 v2(-18.3,-11.575)
G4_1: Q207_1.4 R208_1.2 | length 8.6
  Layer 1 w0.254: v2(-19.3,9.875) -19.262,9.913 -19.041,9.913 -18.66,10.294 R208_1.2@-18.66,10.344
  Layer 3 w0.254: v2(-23.65,13.7) -23.275,13.7 -19.45,9.875 v2(-19.3,9.875)
  Layer 6 w0.254: Q207_1.4@-23.7,14.495 Q207_1.4@-23.65,14.445 ; v2(-23.65,13.7) Q207_1.4@-23.65,14.445 ; Q207_1.4@-23.65,14.445 -23.65,14.545 -23.497,14.698 -23.497,14.292 Q207_1.4@-23.65,14.445
G4_2: Q207_2.4 R208_2.2 | length 8.3
  Layer 1 w0.254: R208_2.2@18.66,14.656 18.66,14.706 19.041,15.087 19.263,15.087 v2(19.3,15.125)
  Layer 3 w0.254: v2(19.3,15.125) 20.475,15.125 v2(23.65,18.3)
  Layer 6 w0.254: v2(23.65,18.3) Q207_2.4@23.65,17.555 ; Q207_2.4@23.7,17.505 Q207_2.4@23.65,17.555 ; Q207_2.4@23.65,17.555 23.497,17.708 23.497,17.302 23.65,17.455 Q207_2.4@23.65,17.555
G4_3: Q207_3.4 R208_3.2 | length 8.6
  Layer 1 w0.254: R208_3.2@18.66,-10.344 18.66,-10.294 19.041,-9.912 19.262,-9.912 v2(19.3,-9.875)
  Layer 3 w0.254: v2(19.3,-9.875) 19.45,-9.875 23.24,-13.665 v2(23.673,-13.665)
  Layer 6 w0.254: v2(23.673,-13.665) 23.673,-14.422 Q207_3.4@23.65,-14.445 ; Q207_3.4@23.7,-14.495 Q207_3.4@23.65,-14.445 ; Q207_3.4@23.65,-14.445 23.497,-14.292 23.497,-14.698 23.65,-14.545 Q207_3.4@23.65,-14.445
G4_4: Q207_4.4 R208_4.2 | length 8.3
  Layer 1 w0.254: v2(-19.3,-15.125) -19.262,-15.087 -19.041,-15.087 -18.66,-14.706 R208_4.2@-18.66,-14.656
  Layer 3 w0.254: v2(-23.65,-18.3) -20.475,-15.125 v2(-19.3,-15.125)
  Layer 6 w0.254: Q207_4.4@-23.7,-17.505 Q207_4.4@-23.65,-17.555 ; v2(-23.65,-18.3) Q207_4.4@-23.65,-17.555 ; Q207_4.4@-23.65,-17.555 -23.65,-17.455 -23.497,-17.302 -23.497,-17.708 Q207_4.4@-23.65,-17.555
G5_1: Q203_1.4 R205_1.2 | length 14.5
  Layer 1 w0.254: v2(-30.556,20.371) -30.064,20.371 -30.064,20.359 -29.7,19.995 Q203_1.4@-29.45,19.995 ; v2(-19.525,17.25) -19.388,17.113 -18.848,17.113 R205_1.2@-18.725,16.99
  Layer 3 w0.254: v2(-30.556,20.371) -25.796,20.371 -22.675,17.25 v2(-19.525,17.25)
G5_2: Q203_2.4 R205_2.2 | length 13.9
  Layer 1 w0.254: R205_2.2@18.725,8.01 18.848,7.887 19.388,7.887 v2(19.525,7.75) ; v2(29.325,12.825) 29.325,12.13 29.45,12.005 Q203_2.4@29.7,12.005
  Layer 3 w0.254: v2(19.525,7.75) 22.65,7.75 27.725,12.825 v2(29.325,12.825)
G5_3: Q203_3.4 R205_3.2 | length 14.5
  Layer 1 w0.254: R205_3.2@18.725,-16.99 18.848,-17.113 19.388,-17.113 v2(19.525,-17.25) ; Q203_3.4@29.45,-19.995 29.7,-19.995 30.064,-20.359 30.064,-20.371 v2(30.556,-20.371)
  Layer 3 w0.254: v2(19.525,-17.25) 22.675,-17.25 25.796,-20.371 v2(30.556,-20.371)
G5_4: Q203_4.4 R205_4.2 | length 13.9
  Layer 1 w0.254: Q203_4.4@-29.7,-12.005 -29.45,-12.005 -29.325,-12.13 v2(-29.325,-12.825) ; v2(-19.525,-7.75) -19.388,-7.887 -18.848,-7.887 R205_4.2@-18.725,-8.01
  Layer 3 w0.254: v2(-29.325,-12.825) -27.725,-12.825 -22.65,-7.75 v2(-19.525,-7.75)
G6_1: Q206_1.4 R209_1.2 | length 10.8
  Layer 1 w0.254: v2(-19.325,14.1) -19.322,14.103 -18.739,14.103 R209_1.2@-18.736,14.106
  Layer 3 w0.254: v2(-23.52,19.152) -20.227,19.152 -18.65,17.575 -18.65,14.775 v2(-19.325,14.1)
  Layer 6 w0.254: Q206_1.4@-23.7,19.995 Q206_1.4@-23.525,19.82 ; v2(-23.52,19.152) -23.52,19.815 Q206_1.4@-23.525,19.82 ; Q206_1.4@-23.497,19.792 Q206_1.4@-23.525,19.82
G6_2: Q206_2.4 R209_2.2 | length 6.5
  Layer 1 w0.254: R209_2.2@18.736,10.894 18.739,10.897 19.322,10.897 v2(19.325,10.9)
  Layer 3 w0.254: v2(19.325,10.9) 21.5,10.9 v2(23.475,12.875)
  Layer 6 w0.254: v2(23.475,12.875) 23.475,12.23 23.497,12.208 Q206_2.4@23.7,12.005
G6_3: Q206_3.4 R209_3.2 | length 10.8
  Layer 1 w0.254: R209_3.2@18.736,-14.106 18.739,-14.103 19.322,-14.103 v2(19.325,-14.1)
  Layer 3 w0.254: v2(19.325,-14.1) 18.65,-14.775 18.65,-17.575 20.325,-19.25 v2@23.525,-19.25
  Layer 6 w0.254: Q206_3.4@23.497,-19.792 Q206_3.4@23.525,-19.82 ; v2@23.525,-19.25 Q206_3.4@23.525,-19.82 ; Q206_3.4@23.7,-19.995 Q206_3.4@23.525,-19.82
  other v2: 23.546,-19.202
G6_4: Q206_4.4 R209_4.2 | length 6.5
  Layer 1 w0.254: v2(-19.325,-10.9) -19.322,-10.897 -18.739,-10.897 R209_4.2@-18.736,-10.894
  Layer 3 w0.254: v2(-23.475,-12.875) -21.5,-10.9 v2(-19.325,-10.9)
  Layer 6 w0.254: Q206_4.4@-23.7,-12.005 -23.497,-12.208 -23.475,-12.23 v2(-23.475,-12.875)